# Altium PCB Fastino-DIOT.PCBDOC (part 10 of 22) (continued)
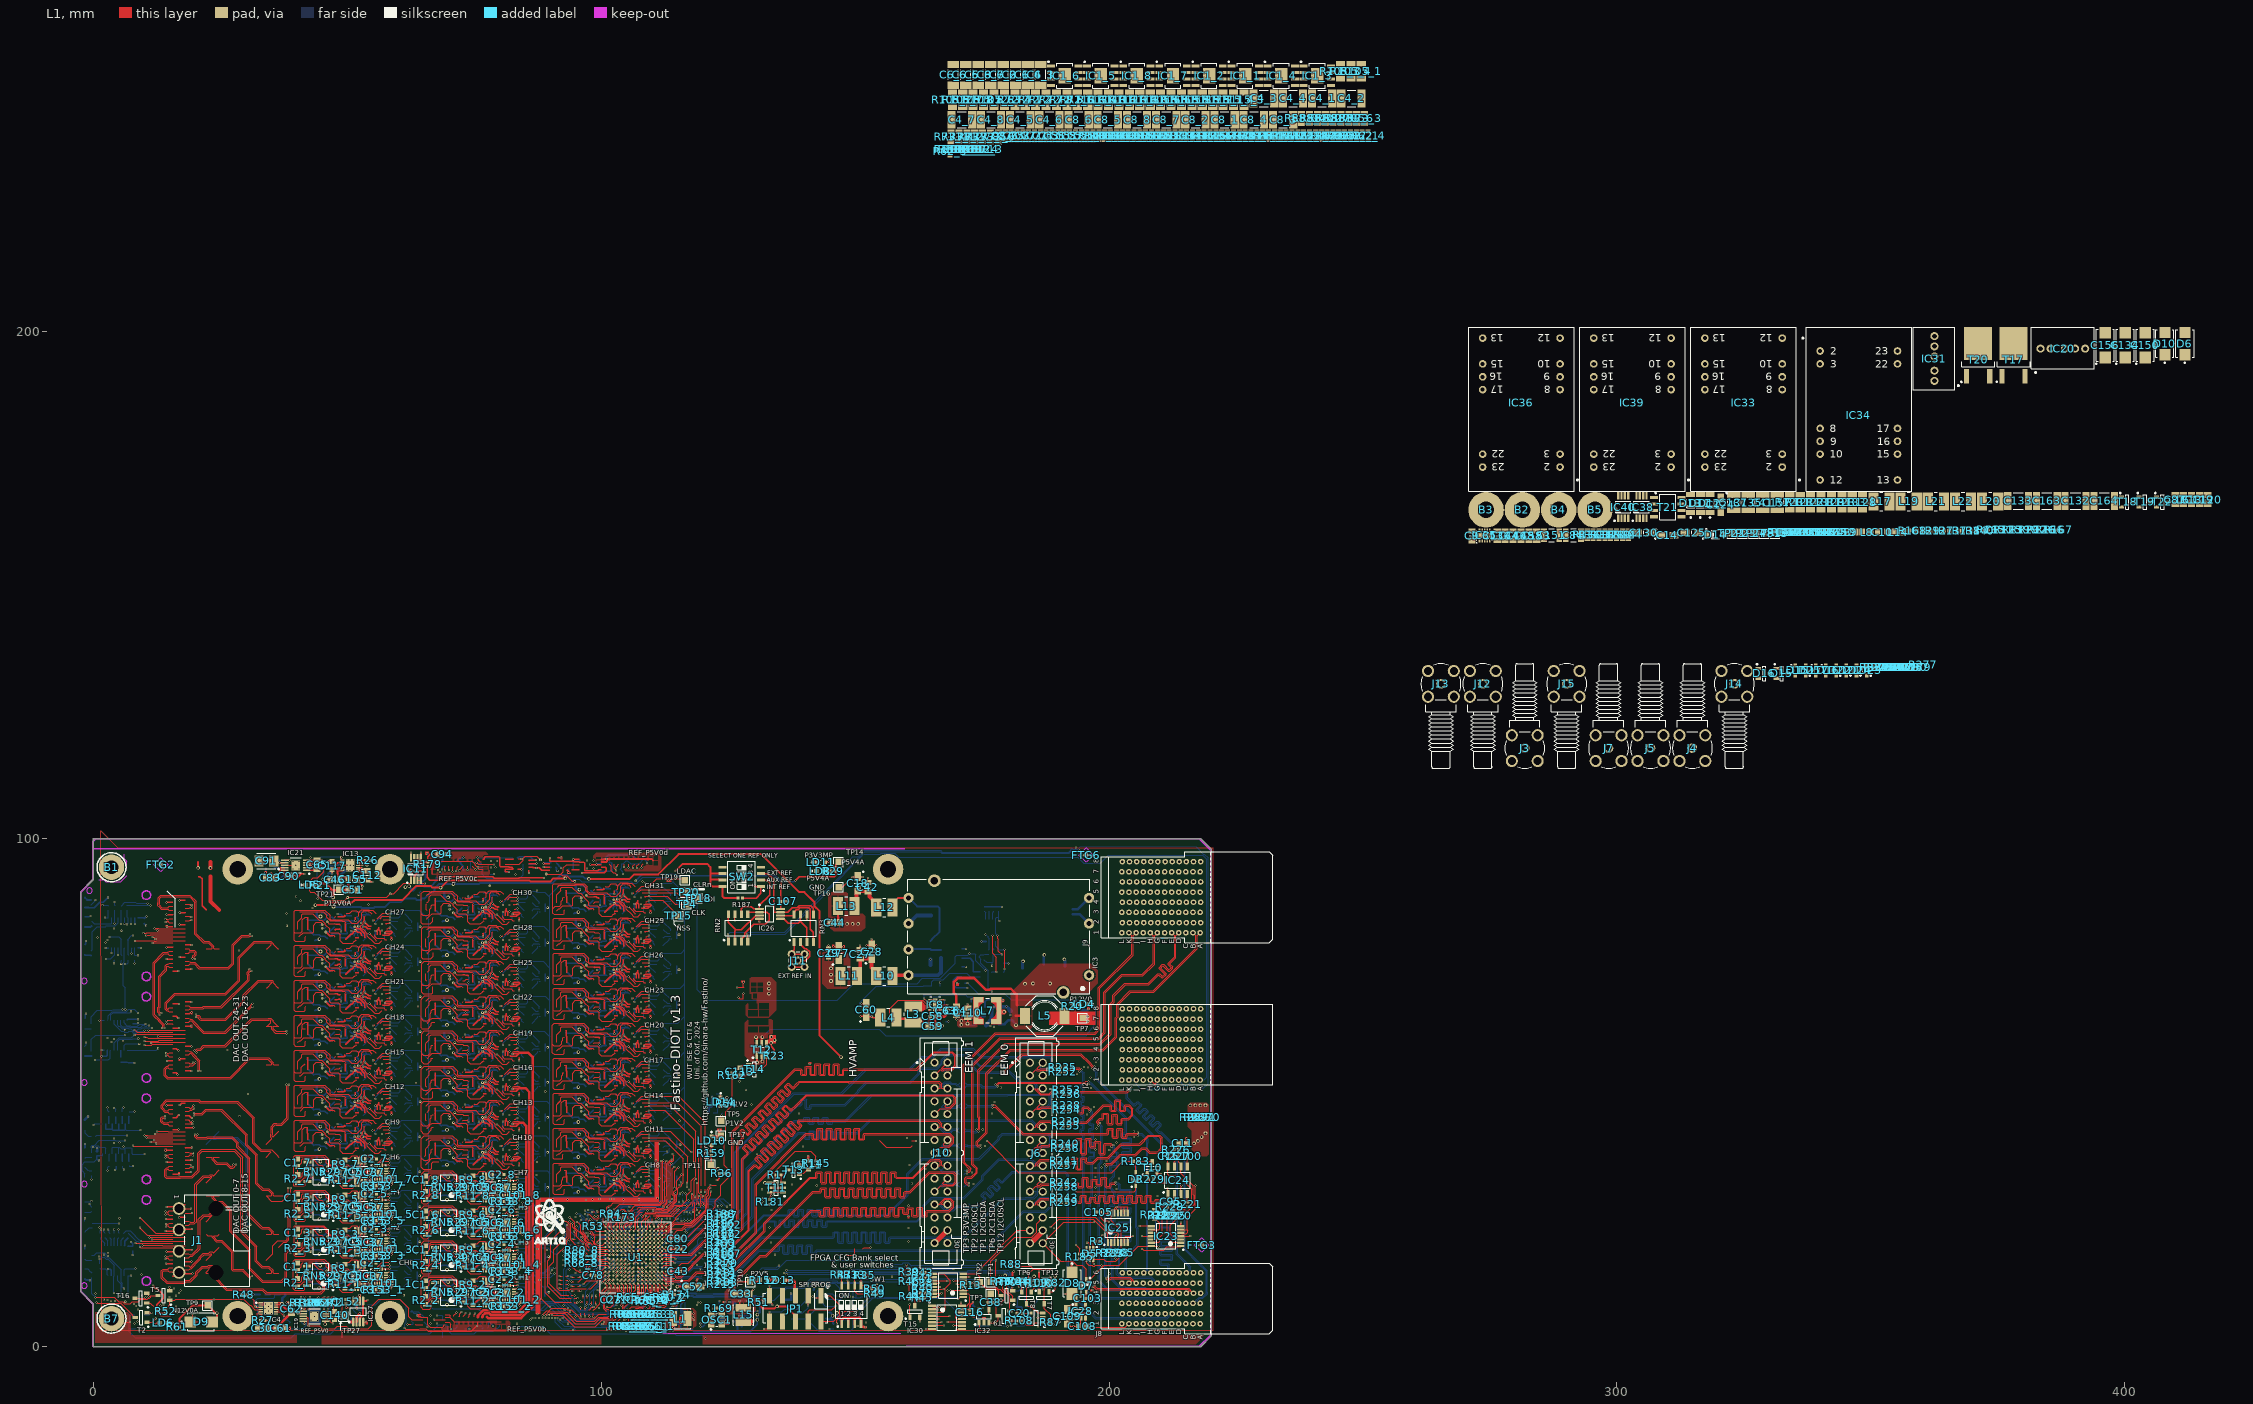
[diagram p0: L1 view]
## Nets (pads, with @x,y where several pads share a name; then routed paths per layer and width w, separated by ;. In a path a pad name is that pad's centre, name@x,y a point inside that pad or via, vN(x,y) a via of type N, cw(c..) or ccw(c..) an arc to the next point about the centre after c; other vN are vias at no path point) (continued)
  L1 w0.203: R9_4.2@74.727,17.988 R9_4.2@74.727,18.291
  L1 w0.254: R11_4.1@74.727,16.716 74.727,17.988 R9_4.2@74.786,18.048
NetC1_5_1: C1_5.1 IC5_5.1 IC5_5.2 R2_5.1 | length 19.1
  L1 w0.127: IC5_5.1@51.637,24.927 IC5_5.1@51.72,24.844
  L1 w0.203: R2_5.1@40.229,27.006 C1_5.1@40.229,28.555 41.016,29.343 ; C1_5.1@40.441,28.767 41.025,29.352 41.025,29.861 41.228,30.064 43.158,30.064 44.403,28.82 44.942,28.82 45.663,28.098 45.663,27.972 46.524,27.112 46.524,26.495 46.657,26.361 48.184,26.361 48.59,25.955 48.59,24.788 48.988,24.39 ; 48.992,24.39 48.988,24.39 ; IC5_5.1@51.506,24.822 51.506,24.756 51.435,24.684 51.369,24.684 51.024,24.339 49.039,24.339 48.988,24.39 ; IC5_5.1@51.637,24.927 IC5_5.1@51.684,24.974
  L1 w0.254: IC5_5.1@51.566,25.34 51.573,25.333 IC5_5.2@52.208,25.333
NetC1_5_2: C1_5.2 R9_5.2 R11_5.1 | length 11.8
  L1 w0.127: C1_5.2@40.64,30.467 43.848,30.467 43.852,30.471 45.209,30.471 45.889,29.791 45.889,29.364 46.568,28.685 48.875,28.685 48.923,28.637 49.367,28.637 R9_5.2@49.627,28.378
  L1 w0.203: R9_5.2@49.576,27.947 R9_5.2@49.576,28.251
  L1 w0.254: R11_5.1@49.576,26.676 49.576,27.947 R9_5.2@49.635,28.007
NetC1_6_1: C1_6.1 IC5_6.1 IC5_6.2 R2_6.1 | length 18.1
  L1 w0.127: IC5_6.1@76.788,21.854 IC5_6.1@76.871,21.771
  L1 w0.203: R2_6.1@65.354,23.851 65.43,23.927 C1_6.1@65.43,25.229 ; C1_6.1@65.557,25.4 65.602,25.4 66.159,25.958 66.159,26.636 66.515,26.992 68.309,26.992 69.554,25.747 70.093,25.747 70.814,25.025 70.814,24.899 71.675,24.039 71.675,23.422 71.809,23.288 73.335,23.288 73.741,22.882 73.741,21.715 74.14,21.317 ; 74.143,21.317 74.14,21.317 ; IC5_6.1@76.657,21.749 76.657,21.683 76.586,21.611 76.52,21.611 76.175,21.266 74.19,21.266 74.14,21.317 ; IC5_6.1@76.788,21.854 IC5_6.1@76.835,21.901
  L1 w0.254: IC5_6.1@76.717,22.267 76.724,22.26 IC5_6.2@77.359,22.26
NetC1_6_2: C1_6.2 R9_6.2 R11_6.1 | length 12
  L1 w0.127: C1_6.2@65.71,27.102 65.804,27.102 66.096,27.394 70.356,27.394 70.36,27.398 71.04,26.719 71.04,26.292 71.719,25.612 74.026,25.612 74.074,25.564 74.518,25.564 R9_6.2@74.778,25.305
  L1 w0.203: R9_6.2@74.727,24.875 R9_6.2@74.727,25.178
  L1 w0.254: R11_6.1@74.727,23.603 74.727,24.875 R9_6.2@74.786,24.934
NetC1_7_1: C1_7.1 IC5_7.1 IC5_7.2 R2_7.1 | length 19.1
  L1 w0.127: IC5_7.1@51.637,31.813 IC5_7.1@51.72,31.731
  L1 w0.203: R2_7.1@40.229,33.892 C1_7.1@40.229,35.442 41.016,36.229 ; C1_7.1@40.441,35.654 41.025,36.238 41.025,36.748 41.228,36.951 43.158,36.951 44.403,35.706 44.942,35.706 45.663,34.985 45.663,34.859 46.524,33.998 46.524,33.381 46.657,33.247 48.184,33.247 48.59,32.841 48.59,31.675 48.988,31.276 ; 48.992,31.276 48.988,31.276 ; IC5_7.1@51.506,31.708 51.506,31.642 51.435,31.571 51.369,31.571 51.024,31.225 49.039,31.225 48.988,31.276 ; IC5_7.1@51.637,31.813 IC5_7.1@51.684,31.86
  L1 w0.254: IC5_7.1@51.566,32.227 51.573,32.219 IC5_7.2@52.208,32.219
NetC1_7_2: C1_7.2 R9_7.2 R11_7.1 | length 11.8
  L1 w0.127: C1_7.2@40.64,37.353 43.848,37.353 43.852,37.357 45.209,37.357 45.889,36.678 45.889,36.251 46.568,35.571 48.875,35.571 48.923,35.524 49.367,35.524 R9_7.2@49.627,35.264
  L1 w0.203: R9_7.2@49.576,34.834 R9_7.2@49.576,35.137
  L1 w0.254: R11_7.1@49.576,33.562 49.576,34.834 R9_7.2@49.635,34.894
NetC1_8_1: C1_8.1 IC5_8.1 IC5_8.2 R2_8.1 | length 18.3
  L1 w0.127: IC5_8.1@76.788,28.741 IC5_8.1@76.871,28.658
  L1 w0.203: C1_8.1@65.43,32.115 R2_8.1@65.43,30.566 65.43,30.505 R2_8.1@65.507,30.429 ; C1_8.1@65.786,32.258 65.786,32.471 66.159,32.844 66.159,33.523 66.515,33.878 68.309,33.878 69.554,32.634 70.093,32.634 70.814,31.912 70.814,31.786 71.675,30.926 71.675,30.309 71.809,30.175 73.335,30.175 73.741,29.769 73.741,28.602 74.14,28.204 ; 74.143,28.204 74.14,28.204 ; IC5_8.1@76.657,28.635 76.657,28.569 76.586,28.498 76.52,28.498 76.175,28.153 74.19,28.153 74.14,28.204 ; IC5_8.1@76.788,28.741 IC5_8.1@76.835,28.788
  L1 w0.254: IC5_8.1@76.717,29.154 76.724,29.146 IC5_8.2@77.359,29.146
NetC1_8_2: C1_8.2 R9_8.2 R11_8.1 | length 11.9
  L1 w0.127: C1_8.2@65.761,33.985 65.8,33.985 66.096,34.281 70.356,34.281 70.36,34.285 71.04,33.605 71.04,33.178 71.719,32.499 74.026,32.499 74.074,32.451 74.518,32.451 R9_8.2@74.778,32.191
  L1 w0.203: R9_8.2@74.727,31.761 R9_8.2@74.727,32.064
  L1 w0.254: R11_8.1@74.727,30.49 74.727,31.761 R9_8.2@74.786,31.821
NetC2_1_1: C2_1.1 IC5_1.6 RN5_1.5 RN5_1.6 RN5_1.7 RN5_1.8 | length 34.3
  L1 w0.127: 39.776,11.064 41.444,11.064 41.622,11.242 41.622,11.902 RN5_1.8@41.749,12.029 ; 39.776,11.074 39.681,11.074 39.319,11.436 39.319,12.929 ; RN5_1.6@41.622,14.468 41.511,14.468 41.361,14.318 41.361,13.917 41.06,13.616 41.06,12.967 40.716,12.624 39.624,12.624 39.319,12.929 ; RN5_1.5@41.961,15.712 RN5_1.5@42.073,15.824 ; C2_1.1@54.762,16.459 54.516,16.706 54.516,16.776 54.368,16.924 54.155,16.924 54.011,17.068 53.15,17.068 53.038,16.956 53.038,16.887 52.804,16.652 IC5_1.6@52.804,16.127 52.804,15.602 52.569,15.368 52.569,15.298 51.876,14.605 50.781,14.605 50.052,15.334 46.619,15.334 46.507,15.445 46.507,16.18 45.491,17.196 39.7,17.196 39.319,16.815 39.319,12.929
  L1 w0.254: RN5_1.6@42.037,14.605 42.073,14.641 42.073,15.712 RN5_1.5@42.073,15.824 ; RN5_1.7@42.115,13.396 RN5_1.6@42.115,14.666
NetC2_1_2: C2_1.2 IC5_1.7 R9_1.1 RN5_1.4 | length 9.9
  L1 w0.127: RN5_1.4@47.473,15.824 RN5_1.4@47.656,16.008 ; R9_1.1@49.283,16.008 49.512,16.008 R9_1.1@49.597,16.093 ; R9_1.1@49.733,16.612 49.784,16.561 50.394,16.561 50.901,17.068 51.807,17.068 51.919,16.956 51.919,16.887 IC5_1.7@52.154,16.652 ; IC5_1.7@51.992,15.966 IC5_1.7@52.154,16.127 IC5_1.7@52.154,16.652 ; C2_1.2@55.601,16.637 55.485,16.637 54.926,17.196 54.305,17.196 54.179,17.322 52.754,17.322 52.388,16.956 52.388,16.887 IC5_1.7@52.154,16.652
  L1 w0.254: RN5_1.4@48.006,15.926 48.009,15.922 49.198,15.922 49.283,16.008 R9_1.1@49.521,16.245
NetC2_2_1: C2_2.1 IC5_2.6 RN5_2.5 RN5_2.6 RN5_2.7 RN5_2.8 | length 36.1
  L1 w0.127: RN5_2.6@67.158,11.379 66.869,11.379 66.567,11.077 66.567,10.676 66.313,10.422 66.313,9.671 66.142,9.5 66.142,9.398 65.964,9.22 64.897,9.22 64.592,9.525 ; RN5_2.8@67.462,8.839 66.869,8.839 66.567,8.537 66.567,7.715 66.243,7.391 64.897,7.391 64.592,7.696 64.592,9.525 ; C2_2.1@79.753,13.19 79.821,13.259 C2_2.1@80.213,13.259 ; C2_2.1@79.993,13.472 79.991,13.475 79.795,13.475 79.587,13.683 79.361,13.683 79.217,13.827 78.355,13.827 78.244,13.716 78.244,13.646 78.009,13.412 78.009,12.362 77.775,12.127 77.775,12.058 77.081,11.364 75.987,11.364 75.258,12.093 71.824,12.093 71.713,12.205 71.713,12.939 70.697,13.955 65.085,13.955 64.592,13.462 64.592,9.525
  L1 w0.254: RN5_2.6@67.243,11.364 67.278,11.4 67.278,12.471 RN5_2.5@67.278,12.583 ; RN5_2.7@67.312,10.148 RN5_2.6@67.312,11.418
NetC2_2_2: C2_2.2 IC5_2.7 R9_2.1 RN5_2.4 | length 9.9
  L1 w0.127: RN5_2.4@72.678,12.583 RN5_2.4@72.862,12.767 ; R9_2.1@74.489,12.767 74.717,12.767 R9_2.1@74.803,12.852 ; R9_2.1@74.939,13.371 74.99,13.32 75.599,13.32 76.106,13.827 77.013,13.827 77.125,13.716 77.125,13.646 IC5_2.7@77.359,13.412 ; IC5_2.7@77.198,12.725 IC5_2.7@77.359,12.887 IC5_2.7@77.359,13.412 ; C2_2.2@80.806,13.396 80.69,13.396 80.131,13.955 79.448,13.955 79.322,14.081 77.959,14.081 77.594,13.716 77.594,13.646 IC5_2.7@77.359,13.412
  L1 w0.254: RN5_2.4@73.212,12.685 73.215,12.682 74.404,12.682 74.489,12.767 R9_2.1@74.727,13.005
NetC2_3_1: C2_3.1 IC5_3.6 RN5_3.5 RN5_3.6 RN5_3.7 RN5_3.8 | length 33.7
  L1 w0.127: 40.785,19.406 40.771,19.406 39.723,19.406 39.538,19.59 ; 40.809,19.381 41.114,19.686 41.114,20.334 41.416,20.636 41.416,21.036 41.565,21.186 RN5_3.6@41.676,21.186 ; RN5_3.8@41.803,18.748 41.676,18.621 41.676,17.96 41.499,17.783 39.831,17.783 39.746,17.783 39.538,17.99 39.538,19.59 ; RN5_3.5@42.015,22.431 RN5_3.5@42.127,22.543 ; C2_3.1@54.817,23.178 54.57,23.424 54.57,23.494 54.422,23.642 54.21,23.642 54.066,23.786 53.204,23.786 53.093,23.675 53.093,23.605 52.858,23.371 IC5_3.6@52.858,22.846 52.858,22.321 52.624,22.086 52.624,22.017 51.93,21.324 50.835,21.324 50.107,22.052 46.673,22.052 46.143,22.583 46.143,23.01 45.314,23.838 39.679,23.838 39.538,23.698 39.538,19.59
  L1 w0.254: RN5_3.6@42.092,21.324 42.127,21.359 42.127,22.431 RN5_3.5@42.127,22.543 ; RN5_3.7@42.197,20.056 RN5_3.6@42.197,21.326
NetC2_3_2: C2_3.2 IC5_3.7 R9_3.1 RN5_3.4 | length 10.4
  L1 w0.127: RN5_3.4@47.527,22.543 RN5_3.4@47.711,22.726 ; R9_3.1@49.338,22.726 49.566,22.726 R9_3.1@49.652,22.812 ; R9_3.1@49.788,23.33 49.839,23.279 50.448,23.279 50.955,23.786 51.862,23.786 51.974,23.675 51.974,23.605 IC5_3.7@52.208,23.371 ; IC5_3.7@52.047,22.684 IC5_3.7@52.208,22.846 IC5_3.7@52.208,23.371 ; C2_3.2@55.655,23.356 55.539,23.356 54.98,23.914 54.297,23.914 54.171,24.04 52.808,24.04 ; IC5_3.7@52.208,23.371 52.443,23.605 52.443,23.675 ; 52.443,23.675 52.808,24.04 ; 52.443,23.675 52.808,24.04
  L1 w0.254: RN5_3.4@48.061,22.644 48.064,22.641 49.253,22.641 49.338,22.726 R9_3.1@49.576,22.964
NetC2_4_1: C2_4.1 IC5_4.6 RN5_4.5 RN5_4.6 RN5_4.7 RN5_4.8 | length 36
  L1 w0.127: RN5_4.6@66.853,18.161 66.764,18.161 66.567,17.964 66.567,17.563 66.226,17.222 66.226,16.368 65.885,16.027 64.976,16.027 64.74,16.264 64.74,16.718 64.643,16.815 ; RN5_4.5@67.166,19.358 RN5_4.5@67.278,19.47 ; RN5_4.8@67.666,15.596 66.739,15.596 66.567,15.424 66.567,14.751 66.192,14.376 64.821,14.376 64.643,14.554 64.643,16.815 ; C2_4.1@79.968,20.105 79.722,20.352 79.722,20.491 79.643,20.57 79.361,20.57 79.217,20.714 78.355,20.714 78.244,20.602 78.244,20.533 78.009,20.298 78.009,19.248 77.775,19.014 77.775,18.944 77.081,18.251 75.987,18.251 75.258,18.98 71.824,18.98 71.713,19.091 71.713,19.826 70.697,20.842 65.139,20.842 64.643,20.345 64.643,16.815
  L1 w0.254: RN5_4.6@67.243,18.251 67.278,18.286 RN5_4.5@67.278,19.47 ; RN5_4.7@67.348,16.984 RN5_4.6@67.348,18.254
NetC2_4_2: C2_4.2 IC5_4.7 R9_4.1 RN5_4.4 | length 9.9
  L1 w0.127: RN5_4.4@72.678,19.47 RN5_4.4@72.862,19.653 ; R9_4.1@74.489,19.653 74.717,19.653 R9_4.1@74.803,19.739 ; R9_4.1@74.939,20.257 74.99,20.207 75.599,20.207 76.106,20.714 77.013,20.714 77.125,20.602 77.125,20.533 IC5_4.7@77.359,20.298 ; IC5_4.7@77.198,19.612 IC5_4.7@77.359,19.773 IC5_4.7@77.359,20.298 ; C2_4.2@80.806,20.283 80.69,20.283 80.131,20.842 79.448,20.842 79.322,20.968 77.959,20.968 77.594,20.602 77.594,20.533 IC5_4.7@77.359,20.298
  L1 w0.254: RN5_4.4@73.212,19.572 73.215,19.568 74.404,19.568 74.489,19.653 R9_4.1@74.727,19.891
NetC2_5_1: C2_5.1 IC5_5.6 RN5_5.5 RN5_5.6 RN5_5.7 RN5_5.8 | length 35.4
  L1 w0.127: RN5_5.8@41.803,25.634 41.676,25.507 41.676,24.847 41.499,24.669 39.808,24.669 39.802,24.663 39.752,24.663 39.538,24.877 39.538,26.477 ; RN5_5.5@42.127,29.429 41.652,29.429 41.112,28.889 41.112,26.67 40.807,26.365 39.65,26.365 39.538,26.477 ; C2_5.1@54.817,30.064 54.57,30.311 54.57,30.379 54.421,30.529 54.21,30.529 54.066,30.673 53.204,30.673 53.093,30.561 53.093,30.492 52.858,30.258 52.858,29.208 52.624,28.973 52.624,28.904 51.93,28.21 50.835,28.21 50.107,28.939 46.673,28.939 46.562,29.05 46.562,29.785 45.546,30.801 39.755,30.801 39.538,30.584 39.538,26.477
  L1 w0.254: RN5_5.6@42.092,28.21 42.127,28.246 RN5_5.5@42.127,29.429 ; RN5_5.7@42.115,26.858 RN5_5.6@42.115,28.128
NetC2_5_2: C2_5.2 IC5_5.7 R9_5.1 RN5_5.4 | length 9.9
  L1 w0.127: RN5_5.4@47.527,29.429 RN5_5.4@47.711,29.613 ; R9_5.1@49.338,29.613 49.566,29.613 R9_5.1@49.652,29.698 ; R9_5.1@49.788,30.217 49.839,30.166 50.448,30.166 50.955,30.673 51.862,30.673 51.974,30.561 51.974,30.492 IC5_5.7@52.208,30.258 ; IC5_5.7@52.047,29.571 IC5_5.7@52.208,29.733 IC5_5.7@52.208,30.258 ; C2_5.2@55.655,30.242 55.539,30.242 54.98,30.801 54.297,30.801 54.171,30.927 52.808,30.927 52.443,30.561 52.443,30.492 IC5_5.7@52.208,30.258
  L1 w0.254: RN5_5.4@48.061,29.531 48.064,29.528 49.253,29.528 49.338,29.613 R9_5.1@49.576,29.851
NetC2_6_1: C2_6.1 IC5_6.6 RN5_6.5 RN5_6.6 RN5_6.7 RN5_6.8 | length 35
  L1 w0.127: RN5_6.8@66.827,22.53 66.786,22.53 66.567,22.31 66.567,21.996 65.78,21.209 64.948,21.209 64.567,21.59 64.567,23.323 ; RN5_6.6@66.904,24.943 66.659,24.943 66.567,24.85 66.567,24.45 66.224,24.107 66.224,23.253 65.881,22.911 64.979,22.911 64.567,23.323 ; RN5_6.5@67.166,26.245 RN5_6.5@67.278,26.357 ; C2_6.1@79.753,26.963 79.821,27.032 C2_6.1@80.213,27.032 ; C2_6.1@79.993,27.246 79.989,27.25 79.72,27.25 79.513,27.456 79.361,27.456 79.217,27.6 78.355,27.6 78.244,27.489 78.244,27.419 78.009,27.185 78.009,26.135 77.775,25.9 77.775,25.831 77.081,25.137 75.987,25.137 75.258,25.866 71.824,25.866 71.713,25.978 71.713,26.713 70.697,27.728 65.168,27.728 64.567,27.127 64.567,23.323
  L1 w0.254: RN5_6.6@67.243,25.137 67.278,25.173 RN5_6.5@67.278,26.357 ; RN5_6.7@67.348,23.87 RN5_6.6@67.348,25.14
NetC2_6_2: C2_6.2 IC5_6.7 R9_6.1 RN5_6.4 | length 9.9
  L1 w0.127: RN5_6.4@72.678,26.357 RN5_6.4@72.862,26.54 ; R9_6.1@74.489,26.54 74.717,26.54 R9_6.1@74.803,26.626 ; R9_6.1@74.939,27.144 74.99,27.093 75.599,27.093 76.106,27.6 77.013,27.6 77.125,27.489 77.125,27.419 IC5_6.7@77.359,27.185 ; IC5_6.7@77.198,26.498 IC5_6.7@77.359,26.66 IC5_6.7@77.359,27.185 ; C2_6.2@80.806,27.169 80.69,27.169 80.131,27.728 79.448,27.728 79.322,27.854 77.959,27.854 77.594,27.489 77.594,27.419 IC5_6.7@77.359,27.185
  L1 w0.254: RN5_6.4@73.212,26.458 73.215,26.455 74.404,26.455 74.489,26.54 R9_6.1@74.727,26.778
NetC2_7_1: C2_7.1 IC5_7.6 RN5_7.5 RN5_7.6 RN5_7.7 RN5_7.8 | length 34
  L1 w0.127: RN5_7.6@41.676,34.959 41.565,34.959 41.416,34.809 41.416,34.409 41.114,34.107 41.114,33.559 40.807,33.252 39.65,33.252 39.472,33.43 ; RN5_7.8@41.803,32.521 41.676,32.394 41.676,31.745 41.554,31.623 39.548,31.623 39.472,31.699 39.472,33.43 ; RN5_7.5@42.015,36.204 RN5_7.5@42.127,36.316 ; C2_7.1@54.817,36.951 54.57,37.197 54.57,37.266 54.421,37.416 54.21,37.416 54.066,37.56 53.204,37.56 53.093,37.448 53.093,37.379 52.858,37.144 52.858,36.094 52.624,35.86 52.624,35.79 51.93,35.097 50.835,35.097 50.107,35.825 46.673,35.825 46.562,35.937 46.562,36.672 45.546,37.688 39.755,37.688 39.472,37.404 39.472,33.43
  L1 w0.254: RN5_7.6@42.092,35.097 42.127,35.132 RN5_7.5@42.127,36.316 ; RN5_7.7@42.197,33.83 RN5_7.6@42.197,35.1
NetC2_7_2: C2_7.2 IC5_7.7 R9_7.1 RN5_7.4 | length 9.9
  L1 w0.127: RN5_7.4@47.527,36.316 RN5_7.4@47.711,36.499 ; R9_7.1@49.338,36.499 49.566,36.499 R9_7.1@49.652,36.585 ; R9_7.1@49.788,37.103 49.839,37.053 50.448,37.053 50.955,37.56 51.862,37.56 51.974,37.448 51.974,37.379 IC5_7.7@52.208,37.144 ; IC5_7.7@52.047,36.458 IC5_7.7@52.208,36.619 IC5_7.7@52.208,37.144 ; C2_7.2@55.655,37.129 55.539,37.129 54.98,37.688 54.297,37.688 54.171,37.814 52.808,37.814 52.443,37.448 52.443,37.379 IC5_7.7@52.208,37.144
  L1 w0.254: RN5_7.4@48.061,36.418 48.064,36.414 49.253,36.414 49.338,36.499 R9_7.1@49.576,36.737
NetC2_8_1: C2_8.1 IC5_8.6 RN5_8.5 RN5_8.6 RN5_8.7 RN5_8.8 | length 35.5
  L1 w0.127: RN5_8.6@66.878,31.928 66.758,31.928 66.567,31.737 66.567,31.336 66.197,30.967 66.197,30.113 65.827,29.743 65.033,29.743 64.74,30.037 64.74,30.561 64.643,30.658 ; RN5_8.5@67.166,33.131 RN5_8.5@67.278,33.243 ; RN5_8.8@67.412,29.312 66.682,29.312 66.567,29.197 66.567,28.883 65.776,28.092 64.922,28.092 64.643,28.372 64.643,30.658 ; C2_8.1@79.968,33.878 79.722,34.125 79.722,34.193 79.572,34.343 79.361,34.343 79.217,34.487 78.355,34.487 78.244,34.375 78.244,34.306 78.009,34.071 78.009,33.021 77.775,32.787 77.775,32.717 77.081,32.024 75.987,32.024 75.258,32.753 71.824,32.753 71.713,32.864 71.713,33.599 70.697,34.615 65.211,34.615 64.643,34.047 64.643,30.658
  L1 w0.254: RN5_8.6@67.243,32.024 67.278,32.06 RN5_8.5@67.278,33.243 ; RN5_8.7@67.348,30.757 RN5_8.6@67.348,32.027
NetC2_8_2: C2_8.2 IC5_8.7 R9_8.1 RN5_8.4 | length 9.9
  L1 w0.127: RN5_8.4@72.678,33.243 RN5_8.4@72.862,33.427 ; R9_8.1@74.489,33.427 74.717,33.427 R9_8.1@74.803,33.512 ; R9_8.1@74.939,34.031 74.99,33.98 75.599,33.98 76.106,34.487 77.013,34.487 77.125,34.375 77.125,34.306 IC5_8.7@77.359,34.071 ; IC5_8.7@77.198,33.385 IC5_8.7@77.359,33.546 IC5_8.7@77.359,34.071 ; C2_8.2@80.806,34.056 80.69,34.056 80.131,34.615 79.448,34.615 79.322,34.741 77.959,34.741 77.594,34.375 77.594,34.306 IC5_8.7@77.359,34.071
  L1 w0.254: RN5_8.4@73.212,33.345 73.215,33.341 74.404,33.341 74.489,33.427 R9_8.1@74.727,33.664
NetC3_1_1: C3_1.1 IC5_1.5 R153_1.2 | length 9.2
  L1 w0.127: 53.292,15.203 53.292,15.966 IC5_1.5@53.454,16.127 ; C3_1.1@54.786,11.166 55.197,10.755 55.197,10.747 55.287,10.658 56.158,10.658 56.646,11.146 R153_1.2@56.646,11.166
  L1 w0.152: IC5_1.5@53.365,15.824 53.305,15.764 53.305,15.216 53.292,15.203 53.013,14.924 53.013,14.543 52.581,14.112 52.581,13.778 52.937,13.422 53.021,13.422 53.882,12.562 53.882,12.07 C3_1.1@54.786,11.166
NetC3_2_1: C3_2.1 IC5_2.5 R153_2.2 | length 10.9
  L1 w0.127: 78.498,11.963 78.498,12.725 IC5_2.5@78.659,12.887 ; C3_2.1@79.992,7.925 80.403,7.514 80.403,7.507 ; R153_2.2@81.851,7.925 R153_2.2@81.851,7.905 ; 80.403,7.507 80.493,7.417 ; 80.403,7.507 80.493,7.417 ; 80.403,7.507 80.493,7.417 ; 80.493,7.417 81.363,7.417 ; 81.363,7.417 R153_2.2@81.851,7.905 ; 81.363,7.417 R153_2.2@81.851,7.905 ; 81.363,7.417 R153_2.2@81.851,7.905
  L1 w0.152: IC5_2.5@78.571,12.583 78.51,12.523 78.51,11.975 78.498,11.963 78.219,11.684 78.219,11.303 77.787,10.871 77.787,10.537 78.142,10.181 78.227,10.181 79.087,9.321 79.087,8.829 C3_2.1@79.992,7.925
NetC3_3_1: C3_3.1 IC5_3.5 R153_3.2 | length 10.1
  L1 w0.127: 53.347,21.922 53.347,22.684 IC5_3.5@53.508,22.846 ; C3_3.1@54.841,17.884 55.252,17.473 55.252,17.466 ; 56.261,17.399 56.238,17.376 56.212,17.376 ; R153_3.2@56.7,17.884 R153_3.2@56.7,17.864 ; 55.252,17.466 55.342,17.376 ; 55.252,17.466 55.342,17.376 ; 55.342,17.376 56.212,17.376 ; 56.212,17.376 R153_3.2@56.7,17.864 ; 56.212,17.376 R153_3.2@56.7,17.864
  L1 w0.152: IC5_3.5@53.42,22.543 53.359,22.482 53.359,21.935 53.347,21.922 53.068,21.643 53.068,21.262 52.636,20.83 52.636,20.496 52.991,20.141 53.076,20.141 53.936,19.28 53.936,18.789 C3_3.1@54.841,17.884
NetC3_4_1: C3_4.1 IC5_4.5 R153_4.2 | length 10.9
  L1 w0.127: 78.498,18.849 78.498,19.612 IC5_4.5@78.659,19.773 ; C3_4.1@79.992,14.811 80.403,14.4 80.403,14.393 ; R153_4.2@81.851,14.811 R153_4.2@81.851,14.791 ; 80.403,14.393 80.493,14.303 ; 80.403,14.393 80.493,14.303 ; 80.403,14.393 80.493,14.303 ; 80.493,14.303 81.363,14.303 ; 81.363,14.303 R153_4.2@81.851,14.791 ; 81.363,14.303 R153_4.2@81.851,14.791 ; 81.363,14.303 R153_4.2@81.851,14.791
  L1 w0.152: IC5_4.5@78.571,19.47 78.51,19.409 78.51,18.862 78.498,18.849 78.219,18.57 78.219,18.189 77.787,17.757 77.787,17.423 78.142,17.068 78.227,17.068 79.087,16.207 79.087,15.716 C3_4.1@79.992,14.811
NetC3_5_1: C3_5.1 IC5_5.5 R153_5.2 | length 10.1
  L1 w0.127: 53.347,28.809 53.347,29.571 IC5_5.5@53.508,29.733 ; C3_5.1@54.841,24.771 55.252,24.36 55.252,24.353 ; R153_5.2@56.7,24.771 R153_5.2@56.7,24.751 ; 55.252,24.353 55.342,24.263 ; 55.252,24.353 55.342,24.263 ; 55.342,24.263 56.212,24.263 ; 56.212,24.263 R153_5.2@56.7,24.751 ; 56.212,24.263 R153_5.2@56.7,24.751
  L1 w0.152: IC5_5.5@53.42,29.429 53.359,29.369 53.359,28.821 53.347,28.809 53.068,28.53 53.068,28.149 52.636,27.717 52.636,27.383 52.991,27.027 53.076,27.027 53.936,26.167 53.936,25.675 C3_5.1@54.841,24.771
NetC3_6_1: C3_6.1 IC5_6.5 R153_6.2 | length 10.9
  L1 w0.127: 78.498,25.736 78.498,26.498 IC5_6.5@78.659,26.66 ; C3_6.1@79.992,21.698 80.403,21.287 80.403,21.28 ; R153_6.2@81.851,21.698 R153_6.2@81.851,21.678 ; 80.403,21.28 80.493,21.19 ; 80.403,21.28 80.493,21.19 ; 80.403,21.28 80.493,21.19 ; 80.493,21.19 81.363,21.19 ; 81.363,21.19 R153_6.2@81.851,21.678 ; 81.363,21.19 R153_6.2@81.851,21.678 ; 81.363,21.19 R153_6.2@81.851,21.678
  L1 w0.152: IC5_6.5@78.571,26.357 78.51,26.296 78.51,25.749 78.498,25.736 78.219,25.457 78.219,25.076 77.787,24.644 77.787,24.31 78.142,23.955 78.227,23.955 79.087,23.094 79.087,22.602 C3_6.1@79.992,21.698
NetC3_7_1: C3_7.1 IC5_7.5 R153_7.2 | length 10.1
  L1 w0.127: 53.347,35.695 53.347,36.458 IC5_7.5@53.508,36.619 ; C3_7.1@54.841,31.657 55.252,31.246 55.252,31.239 ; R153_7.2@56.7,31.657 R153_7.2@56.7,31.637 ; 55.252,31.239 55.342,31.149 ; 55.252,31.239 55.342,31.149 ; 55.342,31.149 56.212,31.149 ; 56.212,31.149 R153_7.2@56.7,31.637 ; 56.212,31.149 R153_7.2@56.7,31.637
  L1 w0.152: IC5_7.5@53.42,36.316 53.359,36.255 53.359,35.708 53.347,35.695 53.068,35.416 53.068,35.035 52.636,34.603 52.636,34.269 52.991,33.914 53.076,33.914 53.936,33.053 53.936,32.562 C3_7.1@54.841,31.657
NetC3_8_1: C3_8.1 IC5_8.5 R153_8.2 | length 10.9
  L1 w0.127: 78.498,32.623 78.498,33.385 IC5_8.5@78.659,33.546 ; C3_8.1@79.992,28.585 80.403,28.174 80.403,28.166 ; R153_8.2@81.851,28.585 R153_8.2@81.851,28.565 ; 80.403,28.166 80.493,28.077 ; 80.403,28.166 80.493,28.077 ; 80.403,28.166 80.493,28.077 ; 80.493,28.077 81.363,28.077 ; 81.363,28.077 R153_8.2@81.851,28.565 ; 81.363,28.077 R153_8.2@81.851,28.565 ; 81.363,28.077 R153_8.2@81.851,28.565
  L1 w0.152: IC5_8.5@78.571,33.243 78.51,33.183 78.51,32.635 78.498,32.623 78.219,32.343 78.219,31.962 77.787,31.531 77.787,31.197 78.142,30.841 78.227,30.841 79.087,29.981 79.087,29.489 C3_8.1@79.992,28.585
NetC4_1_2: C4_1.2 R16_1.1
NetC4_2_2: C4_2.2 R16_2.1
NetC4_3_2: C4_3.2 R16_3.1
NetC4_4_2: C4_4.2 R16_4.1
NetC4_5_2: C4_5.2 R16_5.1
NetC4_6_2: C4_6.2 R16_6.1
NetC4_7_2: C4_7.2 R16_7.1
NetC4_8_2: C4_8.2 R16_8.1
NetC6_1_1: C6_1.1
NetC6_1_2: C6_1.2
NetC6_2_1: C6_2.1
NetC6_2_2: C6_2.2
NetC6_3_1: C6_3.1
NetC6_3_2: C6_3.2
NetC6_4_1: C6_4.1
NetC6_4_2: C6_4.2
NetC6_5_1: C6_5.1
NetC6_5_2: C6_5.2
NetC6_6_1: C6_6.1
NetC6_6_2: C6_6.2
NetC6_7_1: C6_7.1
NetC6_7_2: C6_7.2
NetC6_8_1: C6_8.1
NetC6_8_2: C6_8.2
NetC8_1_2: C8_1.2 R114_1.1
NetC8_2_2: C8_2.2 R114_2.1
NetC8_3_2: C8_3.2 R114_3.1
NetC8_4_2: C8_4.2 R114_4.1
NetC8_5_2: C8_5.2 R114_5.1
NetC8_6_2: C8_6.2 R114_6.1
NetC8_7_2: C8_7.2 R114_7.1
NetC8_8_2: C8_8.2 R114_8.1
NetC9_2: C9.2 IC20.3 L6.1 | length 3.2
  L1 w0.254: 85.758,95.067 87.18,95.067 87.227,95.115 v1(87.267,95.115)
  L8 w0.254: 85.63,95.003 86.614,95.003 87.116,95.003 87.227,95.115 v1(87.267,95.115)
NetC10_2: C10.2 L6.2 L8.1
NetC11_2: C11.2 IC24.6 IC24.7 R222.1 R223.1 R224.1 R225.1 R226.1 R227.1 | length 24
  L1 w0.127: R222.1@209,26.8 209.387,26.413 210.587,26.413 210.75,26.25 211.5,26.25 212.47,26.25 R225.1@212.5,26.22 212.52,26.22 213.05,26.75 215.589,26.75 216.17,27.33 216.17,27.42 216.746,27.996 216.746,29.75 216.61,29.886 216.61,31.64 214.135,34.115 IC24.6@214.135,35.45 214.135,35.925 213.72,36.34 213.72,36.75 ; IC24.7@212.865,35.45 212.865,36.365 213.25,36.75 213.72,36.75 ; C11.2@213.75,40 213.75,37.53 R227.1@213.72,37.5 213.72,36.75
NetC21_1: C21.1 C50.1 U1.N8 | length 2.5
  L1 w0.127: U1.N8@107.2,21.221 107.221,21.221 107.552,21.552 v1@107.552,21.573
  L8 w0.127: C50.1@106.8,22.28 C21.1@106.8,21.25 107.046,21.496 107.423,21.496 107.526,21.6 v1(107.6,21.6)
NetC31_1: C31.1 C37.1 U1.E7 | length 5.6
  L1 w0.127: U1.E7@108.021,14.8 108.021,14.771 108.344,14.448 v1@108.373,14.448
  L8 w0.127: C37.1@106.8,12.04 107.351,12.04 107.91,12.6 107.91,13.981 v1(108.356,14.427) 107.974,14.81 106.84,14.81 C31.1@106.8,14.85
NetC35_1_2: C35_1.2 RN1_1.1 | length 2.1
  L8 w0.127: C35_1.2@61.18,11.826 61.18,11.851 62.299,12.97 62.299,13.123 RN1_1.1@62.399,13.223 ; RN1_1.1@62.58,13.183 RN1_1.1@62.814,13.183
NetC35_2_2: C35_2.2 RN1_2.1 | length 1.9
  L8 w0.127: C35_2.2@86.385,8.585 86.385,8.61 87.504,9.729 87.504,9.882 RN1_2.1@87.605,9.982
NetC35_3_2: C35_3.2 RN1_3.1 | length 2.1
  L8 w0.127: C35_3.2@61.234,18.545 61.234,18.57 62.353,19.689 62.353,19.841 RN1_3.1@62.454,19.942 ; RN1_3.1@62.634,19.901 RN1_3.1@62.869,19.901
NetC35_4_2: C35_4.2 RN1_4.1 | length 1.7
  L8 w0.127: RN1_4.1@87.957,16.828 88.325,16.46 88.325,15.503 C35_4.2@88.189,15.367
NetC35_5_2: C35_5.2 RN1_5.1 | length 2.1
  L8 w0.127: C35_5.2@61.234,25.431 61.234,25.456 62.353,26.575 62.353,26.728 RN1_5.1@62.454,26.828 ; RN1_5.1@62.634,26.788 RN1_5.1@62.869,26.788
NetC35_6_2: C35_6.2 RN1_6.1 | length 1.8
  L8 w0.127: RN1_6.1@87.766,23.731 87.941,23.731 88.189,23.483 C35_6.2@88.189,22.25
NetC35_7_2: C35_7.2 RN1_7.1 | length 2.1
  L8 w0.127: C35_7.2@61.234,32.318 61.234,32.343 62.353,33.462 62.353,33.614 RN1_7.1@62.454,33.715 ; RN1_7.1@62.634,33.674 RN1_7.1@62.869,33.674
NetC35_8_2: C35_8.2 RN1_8.1 | length 2.1
  L8 w0.127: C35_8.2@86.385,29.245 86.385,29.27 87.504,30.389 87.504,30.542 RN1_8.1@87.605,30.642 ; RN1_8.1@87.786,30.602 RN1_8.1@88.02,30.602
NetC45_2: C45.2 IC4.8 R32.1 | length 6.5
  L1 w0.127: IC4.8@35.945,6.843 36.718,6.843 v1(37.49,6.071) 37.541,6.02 v1@37.541,5.994
  L8 w0.152: R32.1@36.462,4.36 38.297,4.36 C45.2@38.733,4.796 38.208,5.321 37.681,5.321 37.49,5.512 v1(37.49,6.071)
NetC66_1_2: C66_1.2 RN1_1.2 | length 1.5
  L8 w0.127: C66_1.2@61.18,13.375 61.503,13.699 62.533,13.699 RN1_1.2@62.577,13.655
NetC66_2_2: C66_2.2 RN1_2.2 | length 1.5
  L8 w0.127: C66_2.2@86.385,10.135 86.708,10.458 87.739,10.458 RN1_2.2@87.782,10.414
NetC66_3_2: C66_3.2 RN1_3.2 | length 1.5
  L8 w0.127: C66_3.2@61.234,20.094 61.557,20.417 62.587,20.417 RN1_3.2@62.631,20.373
NetC66_4_2: C66_4.2 RN1_4.2 | length 1.5
  L8 w0.127: C66_4.2@86.385,17.021 86.708,17.344 87.739,17.344 RN1_4.2@87.782,17.301
NetC66_5_2: C66_5.2 RN1_5.2 | length 1.5
  L8 w0.127: C66_5.2@61.234,26.981 61.557,27.304 62.587,27.304 RN1_5.2@62.631,27.26
NetC66_6_2: C66_6.2 RN1_6.2 | length 1.5
  L8 w0.127: C66_6.2@86.385,23.908 86.708,24.231 87.739,24.231 RN1_6.2@87.782,24.187
NetC66_7_2: C66_7.2 RN1_7.2 | length 1.5
  L8 w0.127: C66_7.2@61.234,33.867 61.557,34.19 62.587,34.19 RN1_7.2@62.631,34.146
NetC66_8_2: C66_8.2 RN1_8.2 | length 1.5
  L8 w0.127: C66_8.2@86.385,30.794 86.708,31.118 87.739,31.118 RN1_8.2@87.782,31.074
NetC68_1_2: C68_1.2 RN1_1.3 | length 1.6
  L8 w0.127: C68_1.2@61.18,14.925 61.18,14.9 61.881,14.199 62.384,14.199 RN1_1.3@62.424,14.239
NetC68_2_2: C68_2.2 RN1_2.3 | length 1.6
  L8 w0.127: C68_2.2@86.385,11.684 86.385,11.659 87.086,10.958 87.59,10.958 RN1_2.3@87.63,10.998
NetC68_3_2: C68_3.2 RN1_3.3 | length 1.6
  L8 w0.127: C68_3.2@61.234,21.643 61.234,21.618 61.935,20.917 62.439,20.917 RN1_3.3@62.479,20.958
NetC68_4_2: C68_4.2 RN1_4.3 | length 1.6
  L8 w0.127: C68_4.2@86.385,18.571 86.385,18.546 87.086,17.844 87.59,17.844 RN1_4.3@87.63,17.885
NetC68_5_2: C68_5.2 RN1_5.3 | length 1.6
  L8 w0.127: C68_5.2@61.234,28.53 61.234,28.505 61.935,27.804 62.439,27.804 RN1_5.3@62.479,27.844
NetC68_6_2: C68_6.2 RN1_6.3 | length 1.6
  L8 w0.127: C68_6.2@86.385,25.457 86.385,25.432 87.086,24.731 87.59,24.731 RN1_6.3@87.63,24.771
NetC68_7_2: C68_7.2 RN1_7.3 | length 1.6
  L8 w0.127: C68_7.2@61.234,35.416 61.234,35.391 61.935,34.69 62.439,34.69 RN1_7.3@62.479,34.731
NetC68_8_2: C68_8.2 RN1_8.3 | length 1.6
  L8 w0.127: C68_8.2@86.385,32.344 86.385,32.319 87.086,31.618 87.59,31.618 RN1_8.3@87.63,31.658
NetC69_2: C69.2 D4.2 IC8.7 IC22.5 R56.1 | length 17.4
  L1 w0.15: v1(163.581,68.514) 164.188,67.907 164.663,67.907 IC8.7@164.738,67.832
  L8 w0.15: v1(163.581,68.514) 163.581,69.261 163.487,69.261 R56.1@163.411,69.338 163.442,69.306 164.873,69.306 164.961,69.219 164.961,68.938 D4.2@165.136,68.763 165.305,68.931 166.38,68.931 C69.2@166.761,69.313 ; C69.2@166.761,69.261 171.749,69.261 172.098,68.913 173.017,68.913 173.946,67.984 173.946,66.469 174.449,65.966 IC22.5@175.556,65.966
NetC87_2: C87.2 IC31.5 L9.1 | length 2.9
  L1 w0.254: v1(88.608,94.428) 88.619,94.417 89.908,94.417
  L8 w0.254: v1(88.608,94.428) 90.091,94.428 90.183,94.336
NetC89_1_2: C89_1.2 RN1_1.4 | length 2.3
  L8 w0.127: C89_1.2@61.18,16.474 61.18,16.449 62.577,15.052 RN1_1.4@62.577,14.722
NetC89_2_2: C89_2.2 RN1_2.4 | length 2.3
  L8 w0.127: C89_2.2@86.385,13.233 86.385,13.208 87.782,11.811 RN1_2.4@87.782,11.481
NetC89_3_2: C89_3.2 RN1_3.4 | length 2.3
  L8 w0.127: C89_3.2@61.234,23.193 61.234,23.168 62.631,21.771 RN1_3.4@62.631,21.44
NetC89_4_2: C89_4.2 RN1_4.4 | length 2.8
  L8 w0.127: C89_4.2@86.385,20.12 86.385,20.095 86.797,19.683 86.822,19.683 86.855,19.65 87.625,19.65 87.791,19.485 87.791,18.962 87.782,18.954 RN1_4.4@87.782,18.367
NetC89_5_2: C89_5.2 RN1_5.4 | length 2.3
  L8 w0.127: C89_5.2@61.234,30.079 61.234,30.054 62.631,28.657 RN1_5.4@62.631,28.327
NetC89_6_2: C89_6.2 RN1_6.4 | length 2.3
  L8 w0.127: C89_6.2@86.385,27.007 86.385,26.809 87.621,25.574 87.621,25.264 RN1_6.4@87.605,25.248